# Altium PCB AJMG 2550XD Silver Jubilee.PcbDoc (part 1 of 2) (continued)
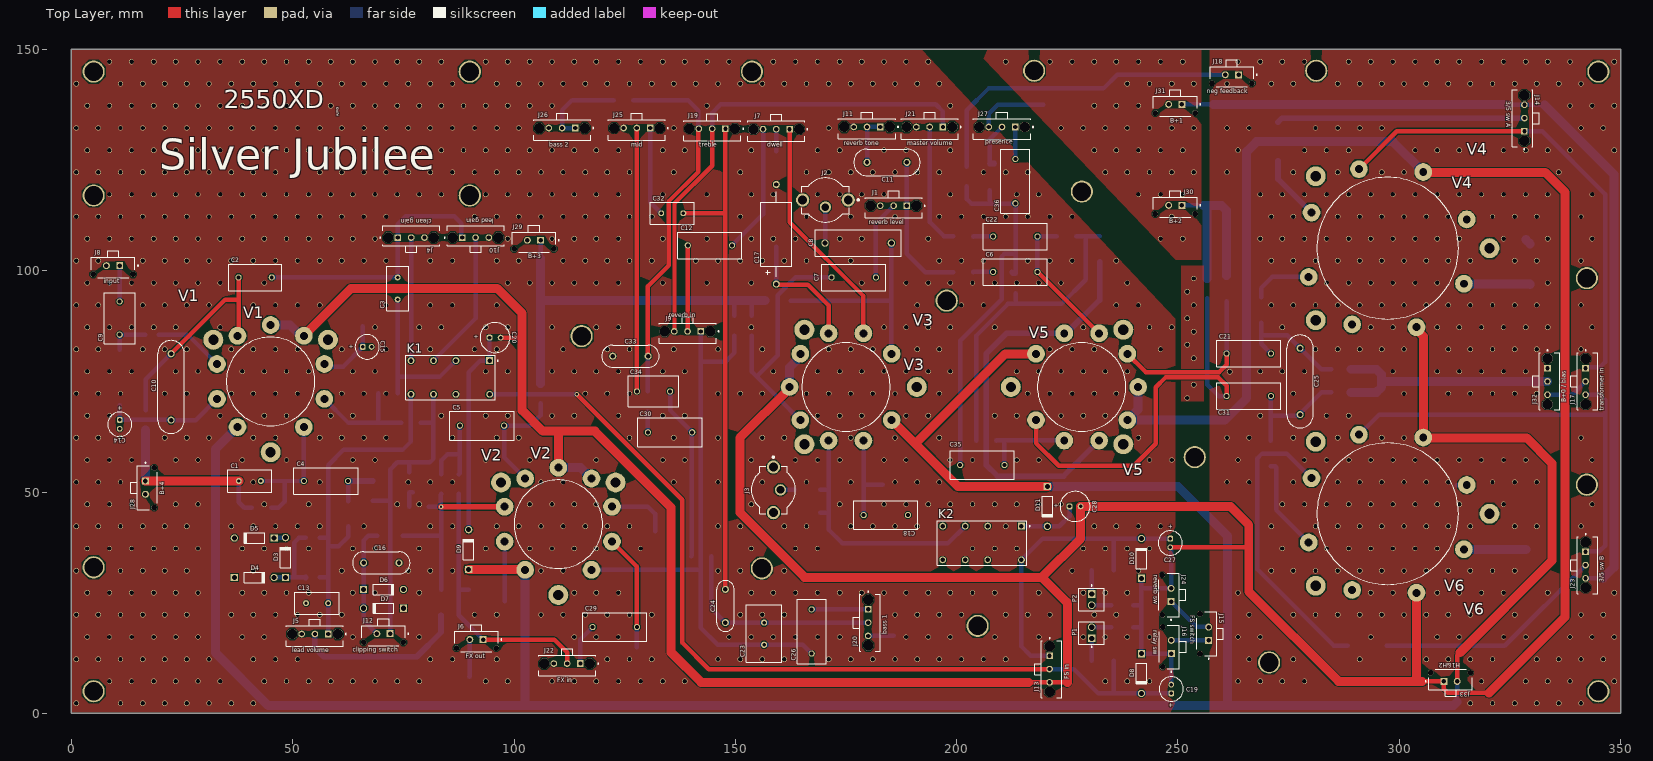
[diagram p0: Top Layer view]
## Part data (continued)
C19 C27: library part 860010572003, "CAP ALUM THT D5xH11 22uF 35V 20%", Capacitance=22uF, Capacitance Tolerance=+/-20%, Leakage Current=7.7uA, Manufacturer="Wurth Elektronik", Operating Temperature="-40 to +85degC", Rated Voltage=35VDC, Ripple Current=108mA, ComponentLink1Description=Manufacturer, ComponentLink1URL=http://www.we-online.de, ComponentLink2Description=Datasheet, ComponentLink2URL=https://www.we-online.com/catalog/datasheet/860010572003.pdf, Diameter=5mm, Dissipation Factor=12%, Endurance=2000h, Height=11mm, Manufacturer Part Number=860010572003, Mounting Technology=THT, Packaging="Ammo Pack", Published Date="October 2020", Technical Reference=ATBC110220M035DSPA3B000
C20 C28: library part 860010273011, "CAP ALUM THT D6.3xH11 470uF 10V 20%", Capacitance=470uF, Capacitance Tolerance=+/-20%, Leakage Current=47uA, Manufacturer="Wurth Elektronik", Operating Temperature="-40 to +85degC", Rated Voltage=10VDC, Ripple Current=418mA, ComponentLink1Description=Manufacturer, ComponentLink1URL=http://www.we-online.de, ComponentLink2Description=Datasheet, ComponentLink2URL=https://www.we-online.com/catalog/datasheet/860010273011.pdf, Diameter=6.3mm, Dissipation Factor=19%, Endurance=2000h, Height=11mm, Manufacturer Part Number=860010273011, Mounting Technology=THT, Packaging="Ammo Pack", Published Date="October 2020", Technical Reference=ATBD110471M010DSPA4B000
C23: library part FKP2J014701I00JSSD, "CAP FILM THT 7.2x6.5 0.0047uF 630V 5%", Capacitance=4.7nF, Case/Package=Radial, Dielectric=PP, Manufacturer=WIMA, Max Operating Temperature=100°C, Min Operating Temperature=-55°C, Supplier Part Number 1=505-FKP2J014701I00JS, Tolerance=5%, Category=Uncategorized, ComponentLink1Description=http://components.arrow.com/part/dataview/0323_02828315?src-supplier=Arrow+Europe, ComponentLink1URL=http://components.arrow.com/part/dataview/0323_02828315?src-supplier=Arrow+Europe, Construction=RADIAL, Depth=6.5mm, Lead Diameter=0.5mm, Lead Pitch=5mm, Length=7.2mm, Manufacturer Part Number=FKP2J014701I00JSSD, Packaging=Bulk, Pricing 1="1=0,40000, 10=0,28800, 50=0,28800, 100=0,18900, 1000=0,12600, 10000=0,10100 (USD)", RoHS=Yes, RoHS Compliant=Yes, Stock 1=2425, Supplier 1=Mouser
C24: library part CDV16FF221JO3F, "CAP MICA THT 10.9x3.8 220pF 1kV 5%", Capacitance=220pF, Case/Package=Radial, Dielectric Material=Mica, Manufacturer="Cornell Dubilier", Max Operating Temperature=150°C, Min Operating Temperature=-55°C, Package Quantity=50, Supplier Part Number 1=598-CDV16FF221JO3F, Tolerance=5%, Voltage Rating=1kV, Category="Mica Capacitors", ComponentLink1Description=https://datasheet.ciiva.com/254/cd-cdv16-254715.pdf?src-supplier=Digi-Key, ComponentLink1URL=https://datasheet.ciiva.com/254/cd-cdv16-254715.pdf?src-supplier=Digi-Key, Height=11.7mm, Height - Seated (Max)=0.461inch, Lead Pitch=0.234inch, Length=0.429inch, Manufacturer Part Number=CDV16FF221JO3F, Mount="Through Hole", Packaging=Bulk, Pricing 1="1=2,08000, 10=1,44000, 50=1,44000, 100=1,32000, 1000=0,92500, 10000=0,76800 (USD)", RoHS=Yes, RoHS Compliant=Yes, Series=CDV16, Stock 1=797, Supplier 1=Mouser, Termination=Radial, Voltage Rating (DC)=1kV, Width=0.15inch
C34: library part 890493422002CS, "CAP FILM THT 10.5x6 0.01uF 1kV 10%", Capacitance=10nF, Capacitance Tolerance=+/-10%, Insulation Resistance=9000MOhm, Manufacturer="Wurth Elektronik", Operating Temperature="-40 to +85degC", Rate of Voltage Rise=160V/us, Rated Voltage=1000VDC, ComponentLink1Description=Manufacturer, ComponentLink1URL=http://www.we-online.de, ComponentLink2Description=Datasheet, ComponentLink2URL=https://www.we-online.com/catalog/datasheet/890493422002CS.pdf, Dissipation Factor@1kHz=1%, Dissipation Factor@10kHz=1.4%, Dissipation Factor@100kHz=2.2%, Height=12mm, Length=10.5mm, Manufacturer Part Number=890493422002CS, Mounting Technology=THT, Packaging=Carton, Pitch=7.5mm, Published Date="May 2020", Technical Reference=MPSP075103KA00DCPP45004, Width=6mm
D1 D2: "DIODE LED SMD", Colour=Yellow, Forward Current=20mA, Forward Voltage=2V, Manufacturer=Lite-On, Manufacturer Part Number=LTST-C930KSKT, Power Dissipation=75mW, Reverse Voltage=5V, Temperature="-55°C to +85°C", Temperature Range High=+85°C, Temperature Range Low=-55°C, Automotive=No, Category=Diode, ComponentLink2Description=Datasheet, ComponentLink2URL=http://optoelectronics.liteon.com/upload/download/DS22-2000-095/LTST-C930KSKT.pdf, Device Class L1=Optoelectronics, Device Class L2=LEDs, Device Class L3=unset, Digikey Description="LED YELLOW CLEAR CHIP SMD", Height=2.5mm, Lead Free=Yes, Led Orientation="Top View", Luminous Intensity=800mcd, Octopart=https://octopart.com/ltst-c930kskt-lite-on-549925, Package=LTST-C930KSKT, Peak Emmision Wavelength=588nm, RoHS=TRUE, Viewing Angle=25°, Wavelength=594.5nm
D3 D4 D5 D6 D7 D8 D9 D10 D11: "DIODE / 1.0 A Rectifier, 8 pF, 1000 V, -65 to 150 degC, 2-Pin DO-41 Plastic, RoHS, Tape and Reel", Manufacturer="Diodes Inc", Max. Average Rectified Current IO (A)=1, Operating Temperature Range (degC)="-65 to 150", ComponentLink1Description="Manufacturer URL", ComponentLink1URL=http://diodes.com/, ComponentLink2Description=Datasheet, ComponentLink2URL=http://diodes.com/datasheets/ds28002.pdf, CT (pF)=8, DatasheetVersion="Rev. 8-2", Max. IFSM (A)=30, Max. IR (uA)=5, Mounting Technology="Through Hole", PackageDescription="2-Pin Axial Lead, Body 4.635 x 2.36 mm, Lead Spread 25.4 mm", PackageReference=DO-41-P-2, Packing="Tape and Reel", PartNumber=1N4007-T, RoHS=TRUE, VF (V)=1, VRRM (V)=1000
J1 J4 J5 J7 J9 J10 J11 J13 J14 J17 J19 J20 J21 J22 J23 J25 J26 J27 J32: library part CMP-04776-000004-1, "CONN HEADER VERT 3POS 3MM", Current Rating=8.5A, Manufacturer=Molex, Package=0, Temperature="-40°C to +105°C", Temperature Range High=+105°C, Temperature Range Low=-40°C, Voltage Rating=600V, Automotive=No, Category=Conn, ComponentLink2Description=Datasheet, ComponentLink2URL=https://www.molex.com/webdocs/datasheets/pdf/en-us/0436500320_PCB_HEADERS.pdf, Conn Gender=Male, Conn Orientation=Vertical, Contact Material=Gold,Nickel, Device Class L1=Connectors, Device Class L2="Headers and Wire Housings", Device Class L3=unset, Digikey Description="CONN HEADER VERT 3POS 3MM", Footprint Url=https://www.molex.com/pdm_docs/sd/436500320_sd.pdf, Height=10.15mm, Lead Free=Yes, Manufacturer Part Number=43650-0320, Number Of Contacts=3, Number Of Rows=1, Octopart=https://octopart.com/43650-0320-molex-7670312, Pitch=3mm, RoHS=TRUE
J2 J3: "CONN RCA JACK MONO 3.2MM PCB", Body Color=Silver, Case/Package=Metal, Color=Black, Manufacturer=CUI, Supplier Part Number 1=490-RCJ-021, Body Material=Brass, Category="Audio / Video Connectors", ComponentLink1Description=https://www.cui.com/product/resource/digikeypdf/rcj-02x.pdf?src-supplier=Digi-Key, ComponentLink1URL=https://www.cui.com/product/resource/digikeypdf/rcj-02x.pdf?src-supplier=Digi-Key, Connector Type=Jack, Contact Plating=Nickel, Diameter=3.5mm, Gender=Female, Insulation Color=Black, Lead Free="Lead Free", Manufacturer Part Number=RCJ-021, Mount="Through Hole", Number of Ports=1, Orientation=Vertical, Packaging=Bulk, Pricing 1="1=0,88000, 10=0,69900, 50=0,69900, 100=0,60800, 1000=0,48600, 10000=0,48600 (USD)", RoHS=Yes, RoHS Compliant=Yes, Series=RCJ, Shielding=Shielded, Stock 1=674, Supplier 1=Mouser, Termination=Solder
J6 J8 J12 J15 J16 J18 J24 J28 J29 J30 J31 J33: library part CMP-04776-000041-1, "CONN HEADER VERT 2POS 3MM", Current Rating=8.5A, Manufacturer=Molex, Package=0, Temperature="-40°C to +105°C", Temperature Range High=+105°C, Temperature Range Low=-40°C, Voltage Rating=600V, Automotive=No, Category=Conn, ComponentLink2Description=Datasheet, ComponentLink2URL=https://www.molex.com/webdocs/datasheets/pdf/en-us/0436500229_PCB_HEADERS.pdf, Conn Gender=Male, Conn Orientation=Vertical, Contact Material=Gold,Nickel, Device Class L1=Connectors, Device Class L2="Headers and Wire Housings", Device Class L3=unset, Digikey Description="CONN HEADER VERT 2POS 3MM", Footprint Url=https://www.molex.com/pdm_docs/sd/436500229_sd.pdf, Height=10.15mm, Lead Free=Yes, Manufacturer Part Number=43650-0229, Mouser Description="Headers & Wire Housings MicroFit 3.0 SR V TH Peg 30Au 2Ckt", Number Of Contacts=2, Number Of Rows=1, Octopart=https://octopart.com/43650-0229-molex-7652326, Pitch=3mm, RoHS=TRUE
K1 K2: library part CMP-03395-000111-1, "RELAY TELECOM DPDT 3A 5V", Ambient Temperature Range High=+85°C, Ambient Temperature Range Low=-40°C, Coil Power=200mW, Coil Resistance=125Ω, Coil Voltage=5V, Current Rating=3A, Manufacturer="TE Connectivity", Automotive=No, Category=Relay, Coil Type=Non-Latching, ComponentLink2Description=Datasheet, ComponentLink2URL=https://www.te.com/usa-en/product-9-1393792-3.html?te_bu=Cor&te_type=other&te_campaign=oct_glo_cor-oct-global-oth-prtnr-fy19-oct-octo-buy-bom_sma-298_2&elqCampaignId=35216, Device Class L1=Electromechanical, Device Class L2=Relays, Device Class L3="Power Relays", Digikey Description="RELAY TELECOM DPDT 3A 5V", Height=10.9mm, Lead Free=Yes, Manufacturer Part Number=9-1393792-3, Number Of Contacts=2, Octopart=https://octopart.com/9-1393792-3-te+connectivity-41192813, Package=9-1393792-3, RoHS=TRUE, Standoff Height=0.2mm, Switching Current=3A, Throw Configuration=DPDT
P1 P2: library part CMP-2000-05537-1, "Male Header, Pitch 2.54 mm, 1 x 2 Position, Height 11.7 mm, Tail Length 3.56 mm, 0 to 75 degC, RoHS, Bulk", Current - Max=4A, Manufacturer=Molex, Operating Temperature=0°Cto+75°C, Package Description="2-Leads Header, Body 5.08 x 5.8 mm, Pitch 2.54 mm", Package Version="Rev. BC, 02/2012", PartNumber=0022272021, Voltage - Max=250V, Contact Material=Tinplatedbrass, Current Rating=4A, Datasheet URL=http://www.molex.com/pdm_docs/sd/022272021_sd.pdf, Datasheet Version="Rev. F, 06/2009", Housing material=Nylon(UL94V-0), Manufacturer URL=http://www.molex.com/, Mounting Technology=ThroughHole, No. of Positions=2, No. of Rows=1, Orientation=Vertical, Package Reference=22-27-2021, Pitch=2.54mm, Voltage Rating=250V
R1 R2 R3 R5 R8 R14 R15 R38 R39 R45 R51 R53 R55: library part CMP2010-FX-1003ELF, "RES SMD 2010 100K 1% 1W", Manufacturer=Bourns, Supplier Part Number 1=652-CMP2010-FX-1003L, Manufacturer Part Number=CMP2010-FX-1003ELF, Pricing 1="1=0,16000, 10=0,12500, 50=0,10700, 100=0,09800, 1000=0,06400, 10000=0,05900 (USD)", RoHS=Yes, Stock 1=403, Supplier 1=Mouser
R4: library part CRM2010-FX-4703ELF, "RES SMD 2010 470K 1% 1W"
R6 R13: library part CHP2512-JW-103ELF, "RES SMD 2512 10K 5% 3W", Case Code (Imperial)=2512, Case Code (Metric)=6432, Manufacturer=Bourns, Max Operating Temperature=155°C, Max Power Dissipation=3W, Min Operating Temperature=-55°C, Resistance=10kR, Resistor Type="Thick Film", Supplier Part Number 1=652-CHP2512JW103ELF, Temperature Coefficient=200ppm/°C, Tolerance=5%, Case/Package=2512, ComponentLink1Description=https://www.bourns.com/docs/product-datasheets/chp.pdf?sfvrsn=21d57df6_2&src-supplier=Digi-Key, ComponentLink1URL=https://www.bourns.com/docs/product-datasheets/chp.pdf?sfvrsn=21d57df6_2&src-supplier=Digi-Key, Features="Moisture Resistant", Manufacturer Part Number=CHP2512-JW-103ELF, Number of Terminations=2, Packaging="Tape and Reel", Pricing 1="1=0,88000, 10=0,40900, 50=0,40900, 100=0,27300, 1000=0,17400, 10000=0,16500 (USD)", RoHS=Yes, Stock 1=9815, Supplier 1=Mouser
R7 R11 R16: library part CMP2512-FX-4702ELF, "RES SMD 2512 47K 1% 1.5W", Manufacturer=Bourns, Manufacturer Part Number=CMP2512-FX-4702ELF, RoHS=Yes, Supplier 1=Mouser
R9 R19 R34 R49 R52: library part CMP2010-FX-1004ELF, "RES SMD 2010 1M 1% 1W", Manufacturer=Bourns, Supplier Part Number 1=652-CMP2010-FX-1004L, Manufacturer Part Number=CMP2010-FX-1004ELF, Pricing 1="1=0,16000, 10=0,12500, 50=0,10700, 100=0,09800, 1000=0,06400, 10000=0,05900 (USD)", RoHS=Yes, Stock 1=8904, Supplier 1=Mouser
R10 R22 R26 R32 R36 R46: library part CHV2010-FX-2203ELF, "RES SMD 2010 220K 1% 1/2W", Case Code (Imperial)=2010, Case Code (Metric)=5025, Manufacturer="Bourns JW Miller", Max Operating Temperature=155°C, Max Power Dissipation=500mW, Min Operating Temperature=-55°C, Resistance=220kR, Resistor Type="Thick Film", Supplier Part Number 1=652-CHV2010FX2203ELF, Temperature Coefficient=100ppm/°C, Tolerance=1%, Voltage Rating=3kV, Case/Package=2010, Category="Chip SMD Resistors", ComponentLink1Description=http://uk.rs-online.com/webdocs/13ff/0900766b813ff008.pdf?src-supplier=RSComponents, ComponentLink1URL=http://uk.rs-online.com/webdocs/13ff/0900766b813ff008.pdf?src-supplier=RSComponents, ComponentLink2Description=http://www.alliedelec.com/images/products/datasheets/bm/BOURNS/70479526.pdf?src-supplier=Allied+Electronics, ComponentLink2URL=http://www.alliedelec.com/images/products/datasheets/bm/BOURNS/70479526.pdf?src-supplier=Allied+Electronics, ComponentLink3Description=http://www.farnell.com/datasheets/2059762.pdf?src-supplier=Farnell, ComponentLink3URL=http://www.farnell.com/datasheets/2059762.pdf?src-supplier=Farnell, ComponentLink4Description=http://www.bourns.com/docs/Product-Datasheets/CHV.pdf?src-supplier=Digi-Key, ComponentLink4URL=http://www.bourns.com/docs/Product-Datasheets/CHV.pdf?src-supplier=Digi-Key, ComponentLink5Description=http://www.farnell.com/datasheets/2059762.pdf?src-supplier=Element14, ComponentLink5URL=http://www.farnell.com/datasheets/2059762.pdf?src-supplier=Element14, ComponentLink6Description=https://www.bourns.com/docs/Product-Datasheets/CHV.pdf?src-supplier=Digi-Key, ComponentLink6URL=https://www.bourns.com/docs/Product-Datasheets/CHV.pdf?src-supplier=Digi-Key, ComponentLink7Description=http://www.bourns.com/data/global/pdfs/CHV.pdf?src-supplier=Avnet, ComponentLink7URL=http://www.bourns.com/data/global/pdfs/CHV.pdf?src-supplier=Avnet, Depth=2.5mm, Height=0.028inch, Length=0.197inch, Manufacturer Part Number=CHV2010-FX-2203ELF, Mount="Surface Mount", Number of Terminations=2, Packaging="Cut Tape", Power Rating=500mW, Pricing 1="1=0,69000, 10=0,32000, 50=0,32000, 100=0,21400, 1000=0,13600, 10000=0,13000 (USD)", REACH SVHC="No SVHC", RoHS=Yes, RoHS Compliant=Yes, Stock 1=26763, Supplier 1=Mouser, Termination=Solder, Voltage Rating (DC)=3kV, Width=0.098inch, Working Voltage=3kV
R12: library part CMA02040X6802GB300, "RES SMD 0204 68K 2% 400mW", Case Code (Metric)=3614, Case/Package=0204, Manufacturer="Vishay Beyschlag", Max Operating Temperature=155°C, Max Power Dissipation=400mW, Min Operating Temperature=-55°C, Operating Supply Voltage=200V, Package Quantity=1, Power Rating=250mW, Resistance=68kR, Resistance Tolerance=2%, Resistor Type="Carbon Film", Supplier Part Number 1=594-CMA02040X6802GB3, Body Diameter=1.4mm, Category="Chip SMD Resistors", ComponentLink1Description=https://datasheet.ciiva.com/11811/0900766b80d9877c-11811894.pdf?src-supplier=RSComponents, ComponentLink1URL=https://datasheet.ciiva.com/11811/0900766b80d9877c-11811894.pdf?src-supplier=RSComponents, ComponentLink2Description=https://datasheet.ciiva.com/8896/cma0204-8896859.pdf?src-supplier=Avnet, ComponentLink2URL=https://datasheet.ciiva.com/8896/cma0204-8896859.pdf?src-supplier=Avnet, ComponentLink3Description=https://datasheet.ciiva.com/2501/cma0204-2501650.pdf?src-supplier=Digi-Key, ComponentLink3URL=https://datasheet.ciiva.com/2501/cma0204-2501650.pdf?src-supplier=Digi-Key, ComponentLink4Description=https://datasheet.ciiva.com/2501/cma0204-2501651.pdf?src-supplier=Digi-Key, ComponentLink4URL=https://datasheet.ciiva.com/2501/cma0204-2501651.pdf?src-supplier=Digi-Key, ComponentLink5Description=https://datasheet.ciiva.com/16887/cma0204-16887161.pdf?src-supplier=Avnet+Europe, ComponentLink5URL=https://datasheet.ciiva.com/16887/cma0204-16887161.pdf?src-supplier=Avnet+Europe, ComponentLink6Description=https://datasheet.ciiva.com/2501/cma0204-2501649.pdf?src-supplier=Digi-Key, ComponentLink6URL=https://datasheet.ciiva.com/2501/cma0204-2501649.pdf?src-supplier=Digi-Key, Construction=Cylindrical, Contact Plating=Tin, Diameter=1.4mm, Features="Automotive AEC-Q200", Lead Free="Lead Free", Length=3.6mm, Manufacturer Part Number=CMA02040X6802GB300, Military Standard=Not, Number of Pins=2, Number of Terminations=2, Packaging="Tape and Reel", Pricing 1="1=0,58000, 10=0,25800, 50=0,25800, 100=0,16500, 1000=0,10700, 10000=0,08900 (USD)", Radiation Hardening=No, RoHS=Yes, RoHS Compliant=Yes, Series=CMA, Stock 1=2857, Supplier 1=Mouser, Technology="CARBON FILM", Tolerance=2%, Voltage Rating=200V, Voltage Rating (DC)=200V, Width=3.6mm
R17 R20 R43 R47: library part CMP2010-FX-1002ELF, "RES SMD 2010 10K 1% 1W", Manufacturer=Bourns, Supplier Part Number 1=652-CMP2010-FX-1002L, Manufacturer Part Number=CMP2010-FX-1002ELF, Pricing 1="1=0,16000, 10=0,12500, 50=0,10700, 100=0,09800, 1000=0,06400, 10000=0,05900 (USD)", RoHS=Yes, Stock 1=3934, Supplier 1=Mouser
R18: library part CR2512-JW-223ELF, "RES SMD 2512 22K 5% 1W", Case/Package=2512, Manufacturer=Bourns, Max Operating Temperature=155°C, Max Power Dissipation=1W, Min Operating Temperature=-55°C, Package Quantity=4000, Resistance=22kR, Resistor Type="Thick Film", Supplier Part Number 1=652-CR2512-JW-223ELF, Temperature Coefficient=200ppm/°C, Tolerance=5%, Category="Chip SMD Resistors", ComponentLink1Description=https://datasheet.ciiva.com/29507/cr2010-29507866.pdf?src-supplier=Digi-Key, ComponentLink1URL=https://datasheet.ciiva.com/29507/cr2010-29507866.pdf?src-supplier=Digi-Key, Height=0.03inch, Length=0.248inch, Manufacturer Part Number=CR2512-JW-223ELF, Mount="Surface Mount", Number of Terminations=2, Packaging="Tape and Reel", Power Rating=1W, RoHS=Yes, RoHS Compliant=Yes, Series=CR2512, Supplier 1=Mouser, Width=0.122inch
R21: library part SMW210RJT, "RES SMD 2616 10R 5% 2W SMW2", Case Code (Imperial)=2616, Case Code (Metric)=6740, Case/Package=SMD/SMT, Insulation Resistance=10GR, Manufacturer="TE Connectivity", Max Operating Temperature=280°C, Max Power Dissipation=2W, Min Operating Temperature=-55°C, Number of Resistors=1, Resistance=10R, Resistance Tolerance=5%, Resistor Type="Power resistor", Supplier Part Number 1=571-SMW210RJT, Temperature Coefficient=200ppm/°C, Voltage Rating=300V, Category="Chip SMD Resistors", ComponentLink1Description=https://datasheet.ciiva.com/11813/0900766b8087d7f5-11813052.pdf?src-supplier=RSComponents, ComponentLink1URL=https://datasheet.ciiva.com/11813/0900766b8087d7f5-11813052.pdf?src-supplier=RSComponents, ComponentLink2Description=https://datasheet.ciiva.com/14180/wysm-data-e-14180885.pdf?src-supplier=Distrelec, ComponentLink2URL=https://datasheet.ciiva.com/14180/wysm-data-e-14180885.pdf?src-supplier=Distrelec, Depth=4mm, ELV=Compliant, Features="Flame Retardant Coating", Height=3.55mm, Length=6.7mm, Manufacturer Part Number=SMW210RJT, Mount="Surface Mount", Number of Terminations=2, Packaging="Tape and Reel", Power Rating=2W, Pricing 1="1=0,42000, 10=0,39200, 50=0,27700, 100=0,24800, 1000=0,16600, 10000=0,16600 (USD)", Radiation Hardening=No, REACH SVHC="No SVHC", RoHS=Yes, RoHS Compliant=Yes, Series="SMW, CGS", Stock 1=5602, Supplier 1=Mouser, Technology="WIRE WOUND", Termination=Solder, Tolerance=5%, Width=4mm
R23 R25: library part CR2512-JW-152ELF, "RES SMD 2512 1.5k 5% 1W", Case Code (Imperial)=2512, Case Code (Metric)=6332, Manufacturer=Bourns, Max Operating Temperature=155°C, Max Power Dissipation=1W, Min Operating Temperature=-55°C, Package Quantity=4000, Resistance=1.5kR, Resistor Type="Thick Film", Supplier Part Number 1=652-CR2512-JW-152ELF, Temperature Coefficient=200ppm/°C, Tolerance=5%, Voltage Rating=200V, Case/Package=2512, Category="Chip SMD Resistors", ComponentLink1Description=https://datasheet.ciiva.com/9123/cr2010-9123461.pdf?src-supplier=Avnet, ComponentLink1URL=https://datasheet.ciiva.com/9123/cr2010-9123461.pdf?src-supplier=Avnet, ComponentLink2Description=https://datasheet.ciiva.com/14983/cr2010-14983047.pdf?src-supplier=Digi-Key, ComponentLink2URL=https://datasheet.ciiva.com/14983/cr2010-14983047.pdf?src-supplier=Digi-Key, ComponentLink3Description=https://datasheet.ciiva.com/5583/cr2010-5583083.pdf?src-supplier=Mouser, ComponentLink3URL=https://datasheet.ciiva.com/5583/cr2010-5583083.pdf?src-supplier=Mouser, Contact Plating=Tin, Height=0.03inch, Length=0.248inch, Manufacturer Part Number=CR2512-JW-152ELF, Mount="Surface Mount", Number of Terminations=2, Packaging="Tape and Reel", Power Rating=1W, Pricing 1="1=0,34000, 10=0,15300, 50=0,15300, 100=0,08700, 1000=0,04800, 10000=0,03700 (USD)", Radiation Hardening=No, RoHS=Yes, RoHS Compliant=Yes, Series=CR2512, Stock 1=1351, Supplier 1=Mouser, Termination=SMD/SMT, Width=0.122inch
R24: library part CMP2512AFX-2701ELF, "RES SMD 2512 2.7K 1% 1.5W", Manufacturer=Bourns, Supplier Part Number 1=652-CMP2512AFX-2701L, Manufacturer Part Number=CMP2512AFX-2701ELF, RoHS=Yes, Supplier 1=Mouser
R27: library part CR2512-JW-122ELF, "RES SMD 2512 1.2k 5% 1W", Case Code (Imperial)=2512, Case Code (Metric)=6332, Manufacturer=Bourns, Max Operating Temperature=155°C, Max Power Dissipation=1W, Min Operating Temperature=-55°C, Package Quantity=4000, Resistance=1.2kR, Resistor Type="Thick Film", Supplier Part Number 1=652-CR2512-JW-122ELF, Temperature Coefficient=200ppm/°C, Tolerance=5%, Voltage Rating=200V, Case/Package=2512, Category="Chip SMD Resistors", ComponentLink1Description=https://datasheet.ciiva.com/14983/cr2010-14983045.pdf?src-supplier=Digi-Key, ComponentLink1URL=https://datasheet.ciiva.com/14983/cr2010-14983045.pdf?src-supplier=Digi-Key, Construction=Rectangular, Contact Plating=Tin, Depth=3.1mm, Height=0.03inch, Length=6.3mm, Manufacturer Part Number=CR2512-JW-122ELF, Military Standard=Not, Mount="Surface Mount", Number of Terminations=2, Packaging="Tape and Reel", Power Rating=1W, Pricing 1="1=0,40000, 10=0,17300, 50=0,17300, 100=0,10900, 1000=0,07100, 10000=0,05900 (USD)", Radiation Hardening=No, RoHS=Yes, RoHS Compliant=Yes, Series=CR2512, Stock 1=949, Supplier 1=Mouser, Termination=SMD/SMT, Width=3.2mm
R28: library part CR2512-FX-3001ELF, "RES SMD 2512 3k 1% 1W", Case Code (Imperial)=2512, Case Code (Metric)=6332, Manufacturer=Bourns, Max Operating Temperature=155°C, Max Power Dissipation=1W, Min Operating Temperature=-55°C, Package Quantity=4000, Resistance=3kR, Resistor Type="Thick Film", Supplier Part Number 1=652-CR2512-FX3001ELF, Temperature Coefficient=100ppm/°C, Tolerance=1%, Voltage Rating=200V, Case/Package=2512, Category="Chip SMD Resistors", ComponentLink1Description=https://datasheet.ciiva.com/9123/cr2010-9123081.pdf?src-supplier=Avnet, ComponentLink1URL=https://datasheet.ciiva.com/9123/cr2010-9123081.pdf?src-supplier=Avnet, Contact Plating=Tin, Height=0.03inch, Length=0.248inch, Manufacturer Part Number=CR2512-FX-3001ELF, Mount="Surface Mount", Number of Terminations=2, Packaging="Tape and Reel", Power Rating=1W, Radiation Hardening=No, RoHS=Yes, RoHS Compliant=Yes, Series=CR2512, Supplier 1=Mouser, Termination=SMD/SMT, Weight=0.001429oz, Width=0.122inch
R29 R30 R41 R42: library part CMB02070X3300GB200, "RES SMD 0207 330R 2% 1W", Case/Package=0207, Manufacturer="Vishay Beyschlag", Max Operating Temperature=155°C, Max Power Dissipation=1W, Min Operating Temperature=-55°C, Operating Supply Voltage=500V, Package Quantity=1, Resistance=330R, Resistor Type="Carbon Film", Supplier Part Number 1=594-CMB02070X3300GB2, Tolerance=2%, Category="Chip SMD Resistors", ComponentLink1Description=https://datasheet.ciiva.com/2482/cmb0207-2482449.pdf?src-supplier=Digi-Key, ComponentLink1URL=https://datasheet.ciiva.com/2482/cmb0207-2482449.pdf?src-supplier=Digi-Key, ComponentLink2Description=https://datasheet.ciiva.com/2482/cmb0207-2482450.pdf?src-supplier=Digi-Key, ComponentLink2URL=https://datasheet.ciiva.com/2482/cmb0207-2482450.pdf?src-supplier=Digi-Key, ComponentLink3Description=https://datasheet.ciiva.com/2482/cmb0207-2482451.pdf?src-supplier=Digi-Key, ComponentLink3URL=https://datasheet.ciiva.com/2482/cmb0207-2482451.pdf?src-supplier=Digi-Key, Construction=Cylindrical, Diameter=2.2mm, Features="Automotive AEC-Q200", Lead Free="Lead Free", Length=0.228inch, Manufacturer Part Number=CMB02070X3300GB200, Military Standard=Not, Number of Terminations=2, Packaging="Tape and Reel", Pricing 1="1=0,45000, 10=0,45000, 50=0,40500, 100=0,31500, 1000=0,20600, 10000=0,18800 (USD)", RoHS=Yes, RoHS Compliant=Yes, Series=CMB, Stock 1=1511, Supplier 1=Mouser
R31 R50: library part CR2512-JW-562ELF, "RES SMD 2512 5.6K 5% 1W", Case/Package=2512, Manufacturer=Bourns, Max Operating Temperature=155°C, Max Power Dissipation=1W, Min Operating Temperature=-55°C, Package Quantity=4000, Resistance=5.6kR, Resistor Type="Thick Film", Supplier Part Number 1=652-CR2512-JW-562ELF, Temperature Coefficient=200ppm/°C, Tolerance=1%, Category="Chip SMD Resistors", ComponentLink1Description=https://datasheet.ciiva.com/29507/cr2010-29507882.pdf?src-supplier=Digi-Key, ComponentLink1URL=https://datasheet.ciiva.com/29507/cr2010-29507882.pdf?src-supplier=Digi-Key, Height=0.03inch, Length=0.248inch, Manufacturer Part Number=CR2512-JW-562ELF, Mount="Surface Mount", Number of Terminations=2, Packaging="Tape and Reel", Power Rating=1W, Pricing 1="1=0,40000, 10=0,17300, 50=0,17300, 100=0,10900, 1000=0,07100, 10000=0,05900 (USD)", RoHS=Yes, RoHS Compliant=Yes, Series=CR2512, Supplier 1=Mouser, Width=0.122inch
R33 R48: library part 35501K0FT, "RES SMD 3550 1K 1% 5W", Manufacturer="TE Connectivity", Supplier Part Number 1=279-35501K0FT, ComponentLink1Description=http://datasheet.octopart.com/35501K0FT-TE-Connectivity-datasheet-129769421.pdf?src-supplier=Electro+Sonic, ComponentLink1URL=http://datasheet.octopart.com/35501K0FT-TE-Connectivity-datasheet-129769421.pdf?src-supplier=Electro+Sonic, ComponentLink2Description=http://sigma.octopart.com/129769425/technical_drawing/TE-Connectivity-35501K0FT.pdf?src-supplier=TE+Connectivity, ComponentLink2URL=http://sigma.octopart.com/129769425/technical_drawing/TE-Connectivity-35501K0FT.pdf?src-supplier=TE+Connectivity, Manufacturer Part Number=35501K0FT, Pricing 1="1=1,54000, 10=1,33000, 50=1,17000, 100=1,00000, 1000=0,61900, 10000=0,59900 (USD)", Stock 1=810, Supplier 1=Mouser
R35: library part CRM2512-JW-823ELF, "RES SMD 2512 82K 5% 2W", Case/Package=2512, Manufacturer=Bourns, Max Operating Temperature=155°C, Max Power Dissipation=2W, Min Operating Temperature=-55°C, Resistance=82kR, Resistor Type="Thick Film", Supplier Part Number 1=652-CRM2512-JW823ELF, Temperature Coefficient=200ppm/°C, Tolerance=5%, Category="Chip SMD Resistors", ComponentLink1Description=http://www.bourns.com/docs/Product-Datasheets/CRM.pdf?src-supplier=Digi-Key, ComponentLink1URL=http://www.bourns.com/docs/Product-Datasheets/CRM.pdf?src-supplier=Digi-Key, Height=0.031inch, Length=0.248inch, Manufacturer Part Number=CRM2512-JW-823ELF, Number of Terminations=2, Packaging="Tape and Reel", RoHS=Yes, RoHS Compliant=Yes, Supplier 1=Mouser, Width=0.122inch
R37 R40: library part WSC00021R000FEA, "RES SMD 4527 1R 1% 2W", Case/Package=4527, Manufacturer="Vishay Dale", Max Operating Temperature=275°C, Min Operating Temperature=-65°C, Power Rating=2W, Resistance=1R, Resistance Tolerance=1%, Resistor Type=Wirewound, Supplier Part Number 1=71-WSC00021R000FEA, Temperature Coefficient=50ppm/°C, Category="Chip SMD Resistors", ComponentLink1Description=https://datasheet.ciiva.com/16504/wscwsn-16504361.pdf?src-supplier=Future+Electronics, ComponentLink1URL=https://datasheet.ciiva.com/16504/wscwsn-16504361.pdf?src-supplier=Future+Electronics, ComponentLink2Description=https://datasheet.ciiva.com/7717/wscwsn-7717277.pdf?src-supplier=Element14, ComponentLink2URL=https://datasheet.ciiva.com/7717/wscwsn-7717277.pdf?src-supplier=Element14, ComponentLink3Description=https://datasheet.ciiva.com/9109/wscwsn-9109599.pdf?src-supplier=Avnet, ComponentLink3URL=https://datasheet.ciiva.com/9109/wscwsn-9109599.pdf?src-supplier=Avnet, Contact Plating=Tin,Matte, Lead Free="Lead Free", Manufacturer Part Number=WSC00021R000FEA, Number of Pins=2, Packaging="Tape and Reel", Pricing 1="1=1,61000, 10=1,20000, 50=1,20000, 100=1,03000, 1000=0,73900, 10000=0,52200 (USD)", Radiation Hardening=No, REACH SVHC=Unknown, RoHS=Yes, RoHS Compliant=Yes, Size Code=4527, Stock 1=651, Supplier 1=Mouser, Tolerance=1%
R44 R54 R56: library part CRM2512-FX-4700ELF, "RES SMD 2512 470R 1% 2W", Case/Package=2512, Manufacturer=Bourns, Max Operating Temperature=155°C, Max Power Dissipation=2W, Min Operating Temperature=-55°C, Package Quantity=4000, Resistance=470R, Resistor Type="Thick Film", Supplier Part Number 1=652-CRM2512FX4700ELF, Temperature Coefficient=100ppm/°C, Tolerance=1%, Category="Chip SMD Resistors", ComponentLink1Description=https://datasheet.ciiva.com/29521/crm-29521783.pdf?src-supplier=Digi-Key, ComponentLink1URL=https://datasheet.ciiva.com/29521/crm-29521783.pdf?src-supplier=Digi-Key, Construction=Rectangular, Depth=3.1mm, Height=0.031inch, Length=0.248inch, Manufacturer Part Number=CRM2512-FX-4700ELF, Military Standard=Not, Number of Terminations=2, Packaging="Tape and Reel", Power Rating=2W, Pricing 1="1=0,60000, 10=0,37800, 50=0,37800, 100=0,19600, 1000=0,12000, 10000=0,10900 (USD)", RoHS=Yes, RoHS Compliant=Yes, Series=CRM2512, Stock 1=2137, Supplier 1=Mouser, Width=0.122inch
R57: library part CMP-1018-00090-1, "RES SMD 2512 4.7k 5% 1W", Case-EIA=2512, Case-Metric=6432, Power="1 W", Tolerance="5 %", Technology=SMT
R58 R59 R60: library part CMP-2005-01987-2, "RES SMD 205K OHM 1% 1/2W 1992", Case Code (Imperial)=1210, Case Code (Metric)=3225, Max Operating Temperature=155°C, Max Power Dissipation=500mW, Min Operating Temperature=-55°C, Package Quantity=1, Resistance=0mR, Temperature Coefficient=0ppm/°C, Voltage Rating=200V, Case/Package=1210, Composition="Thick Film", Contact Plating=Tin, Depth=2.5mm, Features="Automotive AEC-Q200", Height=0.55mm, Length=3.2mm, Military Standard=Not, Mount="Surface Mount", Number of Terminations=2, Packaging="Tape and Reel", Power Rating=500mW, Radiation Hardening=No, REACH SVHC="No SVHC", Termination=SMD/SMT, Weight=0.000564oz, Width=0.098inch

## Free pads (board coordinates)
  round 5 hole 4.2: M4(5,5) M4(5,33) M4(5,117) M4(5,145) M4(90,145) M4(90,117) M4(115.25,85.25) M4(153.75,145) M4(156,32.75) M4(197.75,93.25) M4(204.75,19.75) M4(217.5,145.2) M4(228.3,117.9) M4(253.8,57.9) M4(270.6,11.5) M4(281.25,145.2) M4(342.4,51.667) M4(342.4,98.333) M4(345,145) M4(345,5)

## Via types
v1: diameter 1.2, hole 1, Top Layer to Bottom Layer, 1193 vias
v2: diameter 1.016, hole 0.508, Top Layer to Bottom Layer, 1 vias
v3: diameter 1, hole 0.6, Top Layer to Bottom Layer, 1 vias

## Nets (pads, with @x,y where several pads share a name; then routed paths per layer and width w, separated by ;. In a path a pad name is that pad's centre, name@x,y a point inside that pad or via, vN(x,y) a via of type N, cw(c..) or ccw(c..) an arc to the next point about the centre after c; other vN are vias at no path point)
B+0: J17.2 J32.3 | length 9.8
  Bottom Layer w1.016: J32.3@333.5,72 339.1,72 J17.2@342.1,75
B+1: J14.3 J23.3 J31.1 | length 200.4
  Bottom Layer w1.016: J31.1@250.9,137.585 250.908,137.593 258.007,137.593 ; 324.307,137.593 324.4,137.5 J14.3@328.285,137.5 332.8,137.5 ; J23.3@342.1,30.5 346,30.5
  Bottom Layer w2.032: 258.007,137.593 324.307,137.593 ; 332.8,137.5 348.5,121.8 348.5,33 346,30.5
B+2: J30.1 R35.1 R45.2 | length 41.9
  Bottom Layer w1.016: J30.1@250.9,114.785 255.785,114.785
  Bottom Layer w2.032: 255.785,114.785 255.8,114.8 259.81,114.8 261,113.61 R35.1@261,98.875 ; R45.2@256.6,98.225 256.6,114.785
B+3: J29.1 R2.2 R4.1 R6.2 R32.2 | length 90.4
  Bottom Layer w1.016: 105.6,102.8 106,103.2 J29.1@106,106.9 ; R32.2@149.8,89.825 149.8,93.05 150,93.25 ; R4.1@153.7,89.825 153.7,93.059 153.891,93.25
  Bottom Layer w2.032: R2.2@106,74.475 106,93.25 ; 106,102.8 106,93.25 ; R6.2@156.75,93.25 153.891,93.25 150,93.25 106,93.25
B+4: C1.2 J28.1 R1.2 R3.2 | length 40.8
  Top Layer w2.032: J28.1@16.715,52.5 C1.2@37.8,52.5
  Bottom Layer w1.016: C1.2@37.8,52.5 37.8,47.7 39.046,46.454 40.621,46.454 R3.2@40.675,46.4
  Bottom Layer w2.032: J28.1@16.715,52.5 16.75,52.535 R1.2@16.75,64
BIAS: J32.2 R36.1 R46.2 | length 55.2
  Bottom Layer w2.032: R46.2@289.075,72.5 294.81,72.5 296,73.69 296,75 ; R36.1@289.075,77.75 294.81,77.75 296,76.56 296,75 ; J32.2@333.5,75 296,75
GND: R58.2 R59.1 R60.1
  other v1: 252.078,71.253 253.578,74.253 253.578,80.253 252.078,83.253 253.578,86.253 252.078,89.253 253.578,92.253 252.078,95.253 253.578,98.253
H1: C19.2 C20.2 C27.2 C28.2 D8.1 D10.1 J13.3 J16.1 J24.2 J33.1 R29.1 R41.1 V1.4 V1.5 V2.4 V2.5 V3.4 V3.5 V4.2 V5.4 V5.5 V6.7 | length 936.5
  Top Layer w1.016: C20.2@96.95,84.9 101.167,84.9 ; V3.5@162.25,73.5 V3.5@162.25,73.75 ; 216.25,7 J13.3@221,7 225,7 ; C27.2@248.25,37.5 266,37.5 ; 305.2,7.215 J33.1@310.1,7.215 310.1,5.5 311,4.6 320.3,4.6
  Top Layer w2.032: V1.4@52.494,85.315 63.179,96 96.2,96 101.8,90.4 101.8,84.9 101.8,68.45 106.5,63.75 110,63.75 ; V2.5@110,55.5 110,63.75 ; V2.4@117.494,53.065 V2.4@118.027,53.065 ; V3.5@162.25,73.5 151,62.25 151,45.4 165.65,30.75 219.25,30.75 ; 216.25,7 142.25,7 135.5,13.75 135.5,46.5 118.25,63.75 110,63.75 ; 225,7 225,25 219.25,30.75 ; V6.7@303.898,27.246 303.898,7.215 ; 305.2,7.215 303.898,7.215 ; V4.2@305.43,122.32 305.53,122.22 332.98,122.22 337.5,117.7 337.5,21.8 320.3,4.6 ; 219.25,30.75 228,39.5 C28.2@228,46.75 261.85,46.75 266,42.6 266,37.5 266,27.5 286.285,7.215 303.898,7.215
  Bottom Layer w1.016: V1.4@51.842,85.315 V1.4@52.494,85.315 ; V3.4@164.685,80.592 V3.4@164.685,81.244 ; R29.1@239.85,19.5 241.75,19.5 ; R41.1@239.85,24.4 241.75,24.4 ; D10.1@241.75,30.5 241.75,28.2 ; C27.2@248.304,37.477 248.304,37.369 248.435,37.238 J24.2@248.435,28.25 241.8,28.25 241.75,28.2 ; C19.2@248.5,6.5 J16.1@248.5,13.5 D8.1@241.75,13.5 241.75,19.5 ; 241.75,19.5 241.75,24.4 ; 241.75,24.4 241.75,28.2
  Bottom Layer w2.032: V1.5@45,87.75 49.407,87.75 ; 49.428,87.728 V1.4@51.842,85.315 ; V2.5@110,55.5 115.059,55.5 V2.4@117.494,53.065 ; V3.5@162.25,73.75 162.25,78.157 V3.4@164.685,80.592 ; V5.5@241,73.75 241,68.691 V5.4@238.565,66.256 260.556,66.256 265.5,71.2 265.5,126.9 267.8,129.2 298.55,129.2 V4.2@305.43,122.32
H2: D9.1 D11.1 J33.2 V1.9 V2.9 V3.9 V4.7 V5.9 V6.2 | length 662.9
  Top Layer w1.016: D9.1@89.75,32.5 D9.1@89.782,32.468 ; J33.2@313.1,7.215 313.1,13.1 313.75,13.75
  Top Layer w2.032: D9.1@89.782,32.468 V2.9@102.473,32.468 ; V3.9@185.315,66.256 190.66,60.91 ; V5.9@217.935,81.244 210.994,81.244 190.66,60.91 ; D11.1@220.5,51.25 200.321,51.25 190.66,60.91 ; V4.7@303.898,87.246 303.898,86.713 305.43,85.182 V6.2@305.43,62.32 305.53,62.22 328.78,62.22 334.5,56.5 334.5,34.5 313.75,13.75
  Bottom Layer w1.016: D9.1@89.75,32.5 D9.1@89.782,32.468 ; 313.1,2.6 J33.2@313.1,7.215
  Bottom Layer w2.032: V1.9@37.506,64.685 32.5,59.679 32.5,13.75 44.5,1.75 102.4,1.75 ; V2.9@102.506,32.435 102.494,32.423 102.494,1.75 261.25,1.75 ; D11.1@220.5,51.25 250.05,51.25 261.25,40.05 261.25,1.75 ; 313.1,2.6 312.25,1.75 261.25,1.75
NetC1_1: C1.1 C4.1 R3.1 V1.1 | length 30.9
  Top Layer w1.016: V1.1@52.494,63.946 V1.1@52.494,64.685
  Bottom Layer w1.016: C1.1@42.8,52.5 48.15,52.5 ; R3.1@45.125,46.4 46.749,46.4 48.15,47.801 48.15,52.5 ; V1.1@52.494,64.685 52.497,64.682 52.497,52.503 C4.1@52.5,52.5 48.15,52.5
NetC2_1: C2.1 C10.2 R1.1 V1.6 | length 48.8
  Top Layer w1.016: C10.2@22.5,81.25 34.75,93.5 37.75,93.5 ; V1.6@37.506,85.315 37.75,85.559 37.75,93.5 ; C2.1@37.75,98.5 37.75,93.5
  Bottom Layer w1.016: R1.1@16.75,68.45 16.75,75.5 C10.2@22.5,81.25
NetC2_2: C2.2 C3.1 J4.1 J10.1 | length 59.4
  Top Layer w1.016: C3.1@73.7,98.5 C3.1@73.764,98.564
  Bottom Layer w1.016: C2.2@45.25,98.5 C3.1@73.7,98.5 73.725,98.525 73.725,107.258 J4.1@73.75,107.258 ; J4.1@73.75,107.5 73.75,110.55 75.5,112.3 86.5,112.3 88.058,110.742 88.058,107.742 J10.1@88.3,107.5
NetC3_2: C3.2 K1.4 R14.1 | length 35.9
  Bottom Layer w1.016: C3.2@73.7,93.5 73.7,76 ; R14.1@73.725,72.3 73.7,72.325 73.7,76 ; K1.4@86.87,79.71 83.16,76 73.7,76
NetC4_2: C4.2 R7.1 R10.2 | length 10.1
  Bottom Layer w1.016: R7.1@62.5,47.975 C4.2@62.5,52.5
  Bottom Layer w1.27: C4.2@62.5,52.5 62.513,52.513 68.087,52.513 R10.2@68.1,52.525
NetC5_1: C5.1 R2.1 V2.6 | length 26.1
  Top Layer w1.016: C5.1@97.75,65 97.775,64.975 C5.1@98.025,64.975
  Bottom Layer w1.016: V2.6@102.506,53.065 97.75,57.821 C5.1@97.75,65 103.6,65 106,67.4 R2.1@106,70.025
NetC5_2: C5.2 R8.2 R9.1 | length 19
  Bottom Layer w1.016: R9.1@83.6,54.025 83.6,57.2 84.9,58.5 87.75,58.5 ; R8.2@87.5,54.025 87.558,54.025 87.75,54.217 87.75,58.5 ; C5.2@87.75,65 87.75,58.5
NetC6_1: C6.1 R5.2 | length 4.6
  Bottom Layer w1.016: R5.2@203.725,99.7 203.725,99.75 C6.1@208.25,99.75
NetC6_2: C6.2 C22.1 R34.2 V5.7 | length 32.4
  Top Layer w1.016: C6.2@218.25,99.75 218.283,99.75 232.157,85.876 V5.7@232.19,85.876
  Bottom Layer w1.016: C6.2@218.25,99.75 C22.1@218.25,107.75 218.275,107.775 222.55,107.775 R34.2@222.575,107.8 ; V5.7@232.157,85.876 V5.7@232.19,85.876 V5.7@232.19,86.21
NetC7_1: C7.1 R4.2 V3.6 | length 57.8
  Bottom Layer w1.016: R4.2@153.7,85.375 153.7,77.241 154.82,76.12 ; V3.6@164.685,66.256 159.899,71.042 154.82,76.12 ; C7.1@171.75,98.5 163.6,98.5 159.6,94.5 159.6,80.9 154.82,76.12
NetC7_2: C7.2 J1.2 | length 17.8
  Bottom Layer w1.016: C7.2@181.75,98.5 181.75,110.685 J1.2@185.75,114.685
NetC8_1: C8.1 R6.1 V3.1 | length 47.8
  Bottom Layer w1.016: R6.1@162.5,93.25 185.25,93.25 ; C8.1@185.25,106.25 185.25,93.25 ; V3.1@185.315,81.244 185.25,81.309 185.25,93.25
NetC8_2: C8.2 J2.2 | length 8.2
  Top Layer w1.016: C8.2@170.25,106.25 C8.2@170.3,106.3 ; J2.2@170.3,114.35 J2.2@170.35,114.4
  Bottom Layer w1.016: C8.2@170.3,106.3 J2.2@170.3,114.35
NetC9_1: C9.1 J8.1 | length 8.2
  Top Layer w1.016: C9.1@10.9,93.05 C9.1@10.973,93.123
  Bottom Layer w1.016: C9.1@10.9,93.05 J8.1@10.9,101.16